# Altium PCB 2-quilter-output.PcbDoc (part 11 of 26)
Units mil, origin at the board's own origin, x right, y up, seen from the top; angles counter-clockwise.
Board outline 4130.55 x 4250 mil, 8 copper layers (L1, Ground L2, L3, Power L4, Ground L5, L6, Ground L7, L8), stack 62.985 mil thick; 591 components, 494 nets, 2245 pads, 1508 vias.
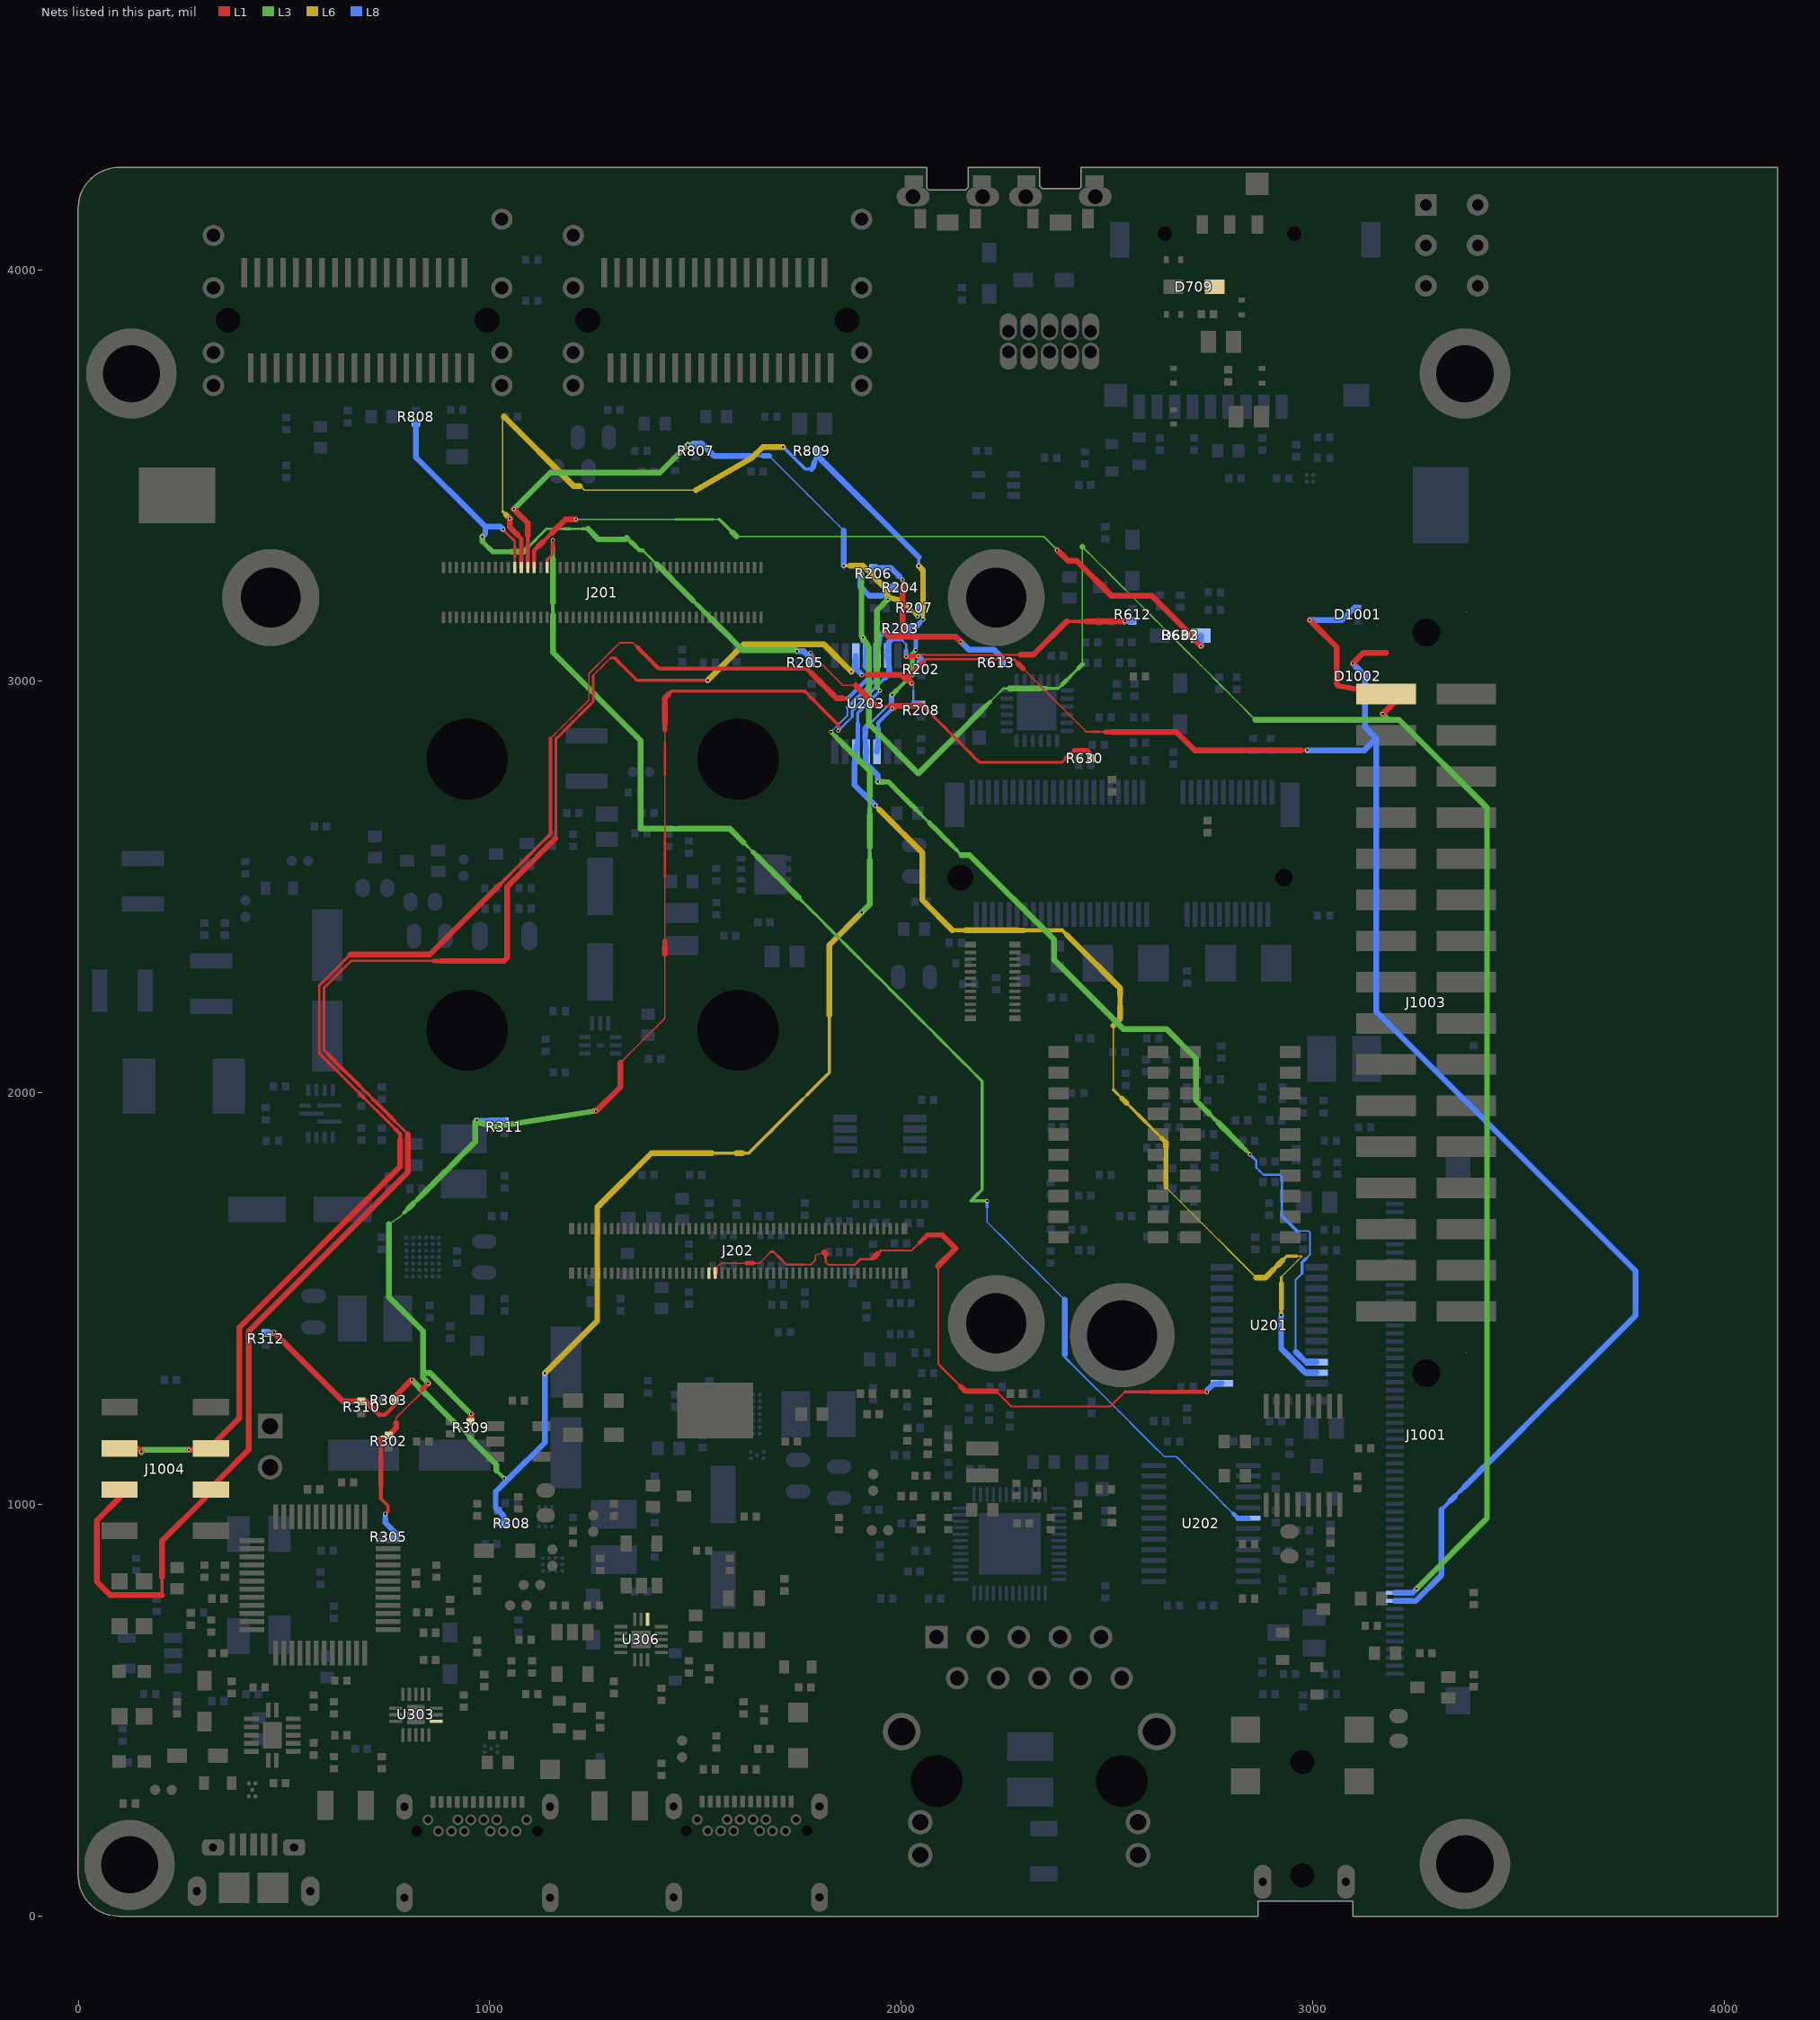
[diagram p17: the nets of this part, all layers, seen from the top]

## Via types
v1: diameter 9.85, hole 5.91, L1 to L8, tented both sides, 1508 vias

## Nets (pads, with @x,y where several pads share a name; then routed paths per layer and width w, separated by ;. In a path a pad name is that pad's centre, name@x,y a point inside that pad or via, vN(x,y) a via of type N, cw(c..) or ccw(c..) an arc to the next point about the centre after c; other vN are vias at no path point) (continued)
I2C2_SCL_3V3: R202.2 R302.1 R305.1 R309.1 R311.1 R612.1 U203.13 | length 4268.7
  L1 w3.83: 772.63,1197.84 772.63,1210.09 783.28,1220.73 793.92,1231.37 804.57,1242.02 815.21,1252.66 825.85,1263.31 836.5,1273.95 836.5,1279.88 ; 1317.38,2072.74 1328.22,2083.59 1339.07,2094.43 1349.91,2105.28 1360.76,2116.12 1371.6,2126.96 1382.45,2137.81 1393.29,2148.65 1404.14,2159.5 1414.98,2170.34 1425.83,2181.19 1425.83,2196.76 1425.83,2212.33 1425.83,2227.89 1425.83,2243.46 1425.83,2259.03 1425.83,2274.6 1425.83,2290.17 1425.83,2305.74 1425.83,2321.31 1425.83,2336.87 ; 1425.83,2368.01 1425.83,2383.58 1425.83,2399.15 1425.83,2414.72 1425.83,2430.28 1425.83,2445.85 1425.83,2461.42 1425.83,2476.99 1425.83,2492.56 1425.83,2508.13 1425.83,2523.7 ; 1425.83,2632.68 1425.83,2648.24 1425.83,2663.81 1425.83,2679.38 1425.83,2694.95 1425.83,2710.52 1425.83,2726.09 1425.83,2741.65 1425.83,2757.22 1425.83,2772.79 ; 1425.83,2850.63 1425.83,2866.2 1425.83,2881.77
  L1 w4.85: 1425.83,2523.7 1425.83,2539.26 1425.83,2554.83 1425.83,2570.4 1425.83,2585.97 1425.83,2601.54 1425.83,2617.11 1425.83,2632.68 ; 1425.83,2772.79 1425.83,2788.36 1425.83,2803.93 1425.83,2819.5 1425.83,2835.07 1425.83,2850.63 ; 2056.67,3064.4 2072.25,3064.4 2087.84,3064.4 2103.43,3064.4 2119.02,3064.4 2134.61,3064.4 2150.2,3064.4 2165.78,3064.4 2181.37,3064.4 2196.96,3064.4 2212.55,3064.4 2228.14,3064.4 2243.73,3064.4 2259.32,3064.4 2274.9,3064.4 2290.49,3064.4
  L1 w5.87: v1@2038.06,3060.03 2041.08,3064.4 2056.67,3064.4
  L1 w7.92: 735.51,1013.78 743.53,1005.76 751.54,997.75 752.98,996.31 752.98,983.16 v1(746.4,976.58) ; 1434.33,2968.11 1442.83,2976.61 1458.16,2976.61 1473.49,2976.61 1488.83,2976.61 1504.16,2976.61 1519.5,2976.61 1534.83,2976.61 1550.17,2976.61 1565.5,2976.61 1580.84,2976.61 1596.17,2976.61 1611.5,2976.61 1626.84,2976.61 1642.17,2976.61 1657.51,2976.61 1672.84,2976.61 1688.18,2976.61 1703.51,2976.61 1718.85,2976.61 1734.18,2976.61 1749.52,2976.61 1764.85,2976.61 1775.17,2966.29 1785.5,2955.96 1795.82,2945.64 1806.15,2935.31 1816.47,2924.99 1826.8,2914.66 1837.12,2904.34 1847.45,2894.01 v1(1847.45,2879.9) ; 2403.14,3145.86 2418.76,3145.86 2434.39,3145.86
  L1 w8.94: 735.51,1013.78 735.51,1028.42 735.51,1043.07 ; 735.51,1116.3 735.51,1130.94 735.51,1145.59 735.51,1160.23 ; 737.59,1162.31 R302.1@746,1164.83
  L1 w9.96: 2434.39,3145.86 2450.01,3145.86
  L1 w10.99: R302.1@746,1164.83 R302.1@754.41,1167.36 ; 1425.83,2881.77 1425.83,2897.34 ; 2024.86,3060.38 2037.51,3060.38 v1@2038.06,3060.03
  L1 w12.01: 836.5,1279.88 843.71,1287.09 v1(850.92,1294.3) ; v1@2038.06,3060.03 2040.51,3060.03 v1(2041.97,3061.49)
  L1 w13.03: 735.51,1043.07 735.51,1057.72 735.51,1072.36 735.51,1087.01 735.51,1101.65 735.51,1116.3 ; 1425.83,2352.44 1425.83,2368.01
  L1 w14.05: 735.51,1160.23 737.59,1162.31 ; R302.1@754.41,1167.36 772.63,1185.59 772.63,1197.84 ; R309.1@953.47,1200.56 954.87,1201.98 v1(954.87,1218.97) ; v1(1258.92,1955.57) 1317.38,2014.07 1317.38,2072.74 ; 1425.83,2336.87 1425.83,2352.44 ; 1425.83,2897.34 1425.83,2912.91 1425.83,2928.48 1425.83,2944.05 1425.83,2959.61 1434.33,2968.11 ; v1(2012.2,3060.38) 2024.86,3060.38 ; 2290.49,3064.4 2306.08,3064.4 2321.67,3064.4 2403.14,3145.86 ; 2450.01,3145.86 2465.64,3145.86 2481.26,3145.86 2496.89,3145.86 2512.51,3145.86 2528.14,3145.86 v1(2543.77,3145.86)
  L3 w3.5: 755.47,1680.83 764.36,1686.67 773.25,1692.52 782.14,1698.36 792.87,1709.09
  L3 w7.92: v1@1254.74,1955.57 v1(1258.92,1955.57)
  L3 w9.96: 792.87,1709.09 803.61,1719.83 ; 814.34,1730.56 825.07,1741.29
  L3 w13.03: 825.07,1741.29 835.81,1752.03
  L3 w14.05: 755.47,1680.82 755.47,1503.3 837.96,1420.8 837.96,1319.59 ; 803.61,1719.83 814.34,1730.56 ; 835.81,1752.03 846.54,1762.76 857.27,1773.49 868.01,1784.23 878.74,1794.96 889.47,1805.69 900.21,1816.43 910.94,1827.16 921.67,1837.89 932.4,1848.62 943.14,1859.36 953.87,1870.09 964.6,1880.82 964.6,1929.67 1012.84,1917.68 v1@1254.73,1955.56 ; v1(850.92,1294.3) 837.96,1307.26 837.96,1319.59 ; v1(954.87,1218.97) 854.26,1319.59 837.96,1319.59 ; 964.66,1929.67 v1(968.64,1933.65)
  L8 w3.83: 2003.53,3098.86 2012.2,3090.19
  L8 w4.85: 1857.77,2890.22 1865.62,2898.07 1873.47,2905.92 1881.31,2913.77 ; 1974.25,3098.86 1988.89,3098.86 2003.53,3098.86 ; 2012.2,3075.29 2012.2,3090.19
  L8 w5.87: v1(1847.45,2879.9) 1857.77,2890.22
  L8 w7.92: 1881.31,2913.77 1881.31,2928.57 1891.31,2938.57 1901.31,2948.57 1911.32,2958.57 1921.32,2968.57 1931.32,2978.57 1941.32,2988.57 1951.32,2998.57 1961.32,3008.57
  L8 w9.96: v1(2041.97,3061.49) 2048.31,3055.16
  L8 w10.99: v1(968.64,1933.65) 977.33,1933.65 986.03,1933.65 1000.3,1933.65 ; v1(2012.2,3060.38) 2012.2,3075.29
  L8 w12.01: 746.4,964.74 v1(746.4,976.58)
  L8 w14.05: 746.4,964.74 746.4,955.06 769.15,932.32 R305.1@769.17,920.18 ; 1000.3,1933.65 1014.57,1933.65 1033.8,1933.65 R311.1@1036.41,1931.03 ; 1961.32,3008.57 1971.32,3018.57 1971.32,3032.01 U203.13@1966.81,3062.02 1970.09,3094.69 1974.25,3098.86 ; R202.2@2048.32,3043.34 2048.31,3055.16 ; v1(2543.77,3145.86) 2544.54,3146.63 R612.1@2562.56,3146.63
I2C2_SDA: J201.24 R205.2 R630.2 R808.2 U203.3 | length 2460.6
  L1 w3.83: 1789.94,3059.07 1799.76,3049.25 1809.57,3039.44 1819.39,3029.62 1829.2,3019.81 1839.02,3009.99 1848.83,3000.18 1858.65,2990.36 1874.17,2990.36 1889.69,2990.36 ; 1952.21,2940.21 1964.58,2940.21
  L1 w4.85: J201.24@1061.04,3289.26 1061.04,3302.09 ; v1(1780.13,3068.88) 1789.94,3059.07 ; 1964.58,2940.21 1976.95,2940.21
  L1 w5.87: v1(1032.34,3369.31) 1038.97,3362.68 1045.61,3356.04 1053.33,3348.32 1061.04,3340.61 1061.04,3327.77 ; J201.24@1061.03,3276.42 J201.24@1061.04,3289.26 ; 2361.06,2803.28 2376.57,2803.28 2392.08,2803.28
  L1 w6.9: 1061.04,3302.09 1061.04,3314.93 1061.04,3327.77 ; 2064.1,2929.68 2074.64,2919.14 2085.17,2908.61 2095.7,2898.08 2106.23,2887.55 2116.77,2877.01 2127.3,2866.48 2137.83,2855.95 2148.36,2845.41 2158.9,2834.88 2169.43,2824.35 2179.96,2813.82 2190.49,2803.28 2206,2803.28 2221.51,2803.28 2237.01,2803.28 2252.52,2803.28 2268.03,2803.28 2283.53,2803.28 2299.04,2803.28 2314.54,2803.28 2330.05,2803.28 2345.56,2803.28 2361.06,2803.28 ; 2392.08,2803.28 2401.87,2813.08 ; 2411.67,2822.88 2421.47,2832.67
  L1 w7.92: 2053.57,2940.21 2064.1,2929.68
  L1 w9.96: 1939.84,2940.21 1952.21,2940.21
  L1 w10.99: 2421.47,2832.67 2436.37,2832.67 2451.27,2832.67 2461.2,2822.75 R630.2@2461.2,2812.75
  L1 w12.01: v1(1978.8,2933.74) 1982.86,2933.74 1989.33,2940.21
  L1 w13.03: 2401.87,2813.08 2411.67,2822.88
  L1 w14.05: 1889.69,2990.36 1939.84,2940.21 ; 1976.95,2940.21 1989.32,2940.21 ; 1989.33,2940.21 2008.94,2940.21 2053.57,2940.21
  L3 w4.85: 1138.12,3370.46 1152.51,3370.46 1166.9,3370.46 ; 1195.68,3370.46 1210.07,3370.46 1224.46,3370.46
  L3 w5.87: 1166.9,3370.46 1181.29,3370.46 ; 1372.76,3317.85 1383.77,3306.85 1394.77,3295.84
  L3 w6.9: 1091.49,3323.83 1100.82,3333.15 1110.15,3342.48 1119.47,3351.81 1128.8,3361.13 1138.12,3370.46 ; 1181.29,3370.46 1195.68,3370.46 ; 1224.46,3370.46 1238.85,3370.46 ; 1394.77,3295.84 1405.77,3284.84
  L3 w7.92: v1@1744.5,3075.75 v1(1747.24,3073.02)
  L3 w8.94: 1493.81,3196.8 1504.81,3185.8
  L3 w9.96: 1334,3348.33 1344.16,3338.17 ; 1354.32,3328.01 1364.48,3317.85 1372.76,3317.85
  L3 w10.99: 982.28,3339.78 990.7,3331.35 999.13,3322.92 ; 1504.81,3185.8 1515.82,3174.8 1526.82,3163.79
  L3 w12.01: 999.13,3322.92 1007.56,3314.5 1022.48,3314.5 1037.4,3314.5 1052.32,3314.5 ; 1344.16,3338.17 1354.32,3328.01 ; 1526.82,3163.79 1537.83,3152.79
  L3 w13.03: 1333.45,3348.33 1334,3348.33
  L3 w14.05: 982.28,3339.78 v1(982.28,3351.59) ; 1052.32,3314.5 1067.24,3314.5 1082.16,3314.5 1091.49,3323.83 ; 1238.85,3370.46 1264.38,3344.93 ; 1264.38,3344.92 1330.04,3344.92 1333.45,3348.33 ; 1405.77,3284.84 1416.78,3273.83 1427.78,3262.83 1438.79,3251.83 1449.79,3240.82 1460.8,3229.82 1471.8,3218.81 1482.8,3207.81 1493.81,3196.8 ; 1537.83,3152.79 1548.83,3141.78 1559.83,3130.78 1570.84,3119.77 1581.84,3108.77 1592.85,3097.77 1603.85,3086.76 1614.87,3075.75 v1@1744.5,3075.75
  L8 w5.87: 1773.06,3062.99 R205.2@1777.07,3054.07
  L8 w7.92: R205.2@1777.07,3054.07 R205.2@1781.07,3045.18
  L8 w8.94: v1(1780.13,3068.88) 1782.7,3066.31 1782.7,3057.53 ; 1944.2,2885.77 1944.2,2899.14 1951.89,2906.83 1959.58,2914.52 1967.26,2922.21 1973.03,2927.97 v1(1978.8,2933.74)
  L8 w13.03: 1025.82,3375.83 v1(1032.34,3369.31)
  L8 w14.05: R808.2@820.75,3628.07 820.75,3544.47 975.33,3389.88 989.39,3375.83 ; v1(982.28,3351.59) 989.39,3358.71 989.39,3375.83 ; 1025.82,3375.83 989.39,3375.83 ; v1(1747.24,3073.02) 1763.03,3073.02 1773.06,3062.99 ; R205.2@1781.07,3045.18 1782.7,3048.75 1782.7,3057.53 ; U203.3@1941.21,2829.02 1944.2,2859.02 1944.2,2872.39 1944.2,2885.77
I2C2_SDA_3V3: R206.2 R303.1 R308.1 R310.1 R312.1 R613.1 U203.12 | length 4160.8
  L1 w9.96: 731.67,1217.47 745.57,1217.47 749.04,1220.94 759.1,1231 769.15,1241.06 R303.1@769.17,1252.21 ; 2003.73,3232.73 v1(2003.73,3247.02)
  L1 w10.99: 718.51,1230.63 728.39,1220.76 731.67,1217.47
  L1 w12.01: 698.77,1250.37 708.64,1240.5 ; v1@809.75,1302.04 v1(810.72,1302.04)
  L1 w13.03: v1(1957.5,3120.63) 1963.43,3114.71
  L1 w14.05: v1(475.46,1417.92) 488.67,1404.71 643,1250.38 R310.1@688.05,1250.37 ; R310.1@688.05,1250.37 698.07,1250.37 698.77,1250.37 ; 708.64,1240.5 718.51,1230.63 ; R303.1@769.17,1252.21 769.15,1261.44 v1@809.75,1302.04 ; 1963.43,3114.71 1969.36,3108.78 1994.06,3108.78 ; 2003.73,3232.73 2003.73,3218.44 2003.73,3204.16 2003.73,3189.87 2003.73,3175.59 2003.73,3161.3 2003.73,3147.01 2003.73,3132.73 2003.73,3118.44 1994.06,3108.78 ; v1(2145.27,3096.15) 2132.65,3108.78 1994.06,3108.78
  L3 w4.85: 929.61,1183.15 940.42,1172.34 951.22,1161.53
  L3 w7.92: 918.8,1193.96 929.61,1183.15 ; 1016.07,1082.28 1025.71,1072.64 ; 1923.5,2689.86 1923.5,2705.38
  L3 w8.94: 1025.71,1072.64 v1(1035.34,1063) ; 1923.5,2581.27 1923.5,2596.79
  L3 w9.96: v1(1829.57,2876.88) 1840,2866.44 ; 1923.5,2565.76 1923.5,2581.27
  L3 w10.99: 1923.5,2705.38 1923.5,2720.89
  L3 w12.01: 1840,2866.44 1850.44,2856 ; 1923.5,2674.35 1923.5,2689.86
  L3 w14.05: v1(810.72,1302.04) 821.53,1291.23 832.34,1280.42 843.14,1269.61 853.95,1258.8 864.76,1248 875.57,1237.19 886.38,1226.38 897.18,1215.57 907.99,1204.76 918.8,1193.96 ; 951.22,1161.53 962.03,1150.72 972.84,1139.92 983.65,1129.11 994.46,1118.3 1005.26,1107.49 1016.07,1096.68 1016.07,1082.28 ; 1850.44,2856 1860.88,2845.56 1871.31,2835.13 1881.75,2824.69 1892.19,2814.25 1902.63,2803.81 1913.06,2793.38 1923.5,2782.94 1923.5,2767.43 1923.5,2751.91 1923.5,2736.4 1923.5,2720.89 ; v1(1904.55,2438.22) 1923.5,2457.17 1923.5,2472.68 1923.5,2488.2 1923.5,2503.71 1923.5,2519.22 1923.5,2534.73 1923.5,2550.25 1923.5,2565.76 ; 1923.5,2596.79 1923.5,2612.3 1923.5,2627.81 1923.5,2643.32 1923.5,2658.84 1923.5,2674.35
  L6 w4.85: 1760.19,1983.79 1771.08,1994.68
  L6 w7.92: 1540.75,1853.11 1555.54,1853.11 1570.34,1853.11 1585.13,1853.11 1599.93,1853.11 ; 1614.72,1853.11 1629.52,1853.11 1640.41,1864 1651.3,1874.89 1662.19,1885.78 1673.08,1896.67 1683.97,1907.56 1694.86,1918.45 1705.75,1929.34 1716.64,1940.23 1727.53,1951.12 1738.42,1962.01 1749.31,1972.9 1760.19,1983.79 ; 1771.08,1994.68 1781.97,2005.57 1792.86,2016.46 1803.75,2027.35 1814.64,2038.24 1825.53,2049.13 1825.53,2064.63 1825.53,2080.14 1825.53,2095.64 1825.53,2111.14 1825.53,2126.65 1825.53,2142.15 1825.53,2157.66 1825.53,2173.16 1825.53,2188.66
  L6 w14.05: v1(1134.07,1318.6) 1261.5,1446.03 1261.51,1721.82 1392.8,1853.11 1407.59,1853.11 1422.39,1853.11 1437.18,1853.11 1451.98,1853.11 1466.77,1853.11 1481.57,1853.11 1496.36,1853.11 1511.16,1853.11 1525.95,1853.11 1540.75,1853.11 ; 1599.93,1853.11 1614.72,1853.11 ; 1825.53,2188.66 1825.53,2204.17 1825.53,2219.67 1825.53,2235.18 1825.53,2250.68 1825.53,2266.18 1825.53,2281.69 1825.53,2297.19 1825.53,2312.7 1825.53,2328.2 1825.53,2343.7 1825.53,2359.21 v1@1904.55,2438.22
  L8 w3.5: 1836.54,2883.85 1843.52,2890.83
  L8 w3.83: v1(1829.57,2876.88) 1836.54,2883.85 ; 1843.52,2890.83 1852.23,2899.54
  L8 w4.85: 1852.23,2899.54 1860.94,2908.25 1869.65,2916.96 1869.65,2926.63 1869.65,2936.29
  L8 w7.92: v1(1035.34,1063) v1@1036.63,1061.72
  L8 w8.94: 1869.65,2936.29 1879.87,2946.52 1890.09,2956.74 1900.31,2966.96 1910.54,2977.18 1920.76,2987.4 1930.98,2997.62 1941.2,3007.85 1941.2,3021.39 ; 1996.54,3254.2 v1(2003.73,3247.02)
  L8 w10.99: v1@1036.63,1061.72 1045.77,1061.72
  L8 w12.01: v1@1957.5,3119.78 v1(1957.5,3120.63)
  L8 w13.03: 1014.6,1030.48 1024.99,1040.87
  L8 w14.05: R312.1@455.82,1416.38 473.94,1416.4 v1(475.46,1417.92) ; 1014.6,1030.48 1014.6,991.65 1033.1,973.15 R308.1@1038.24,953.38 ; 1024.99,1040.87 1035.38,1051.26 1045.77,1061.65 1045.77,1061.72 1134.07,1150.02 v1(1134.07,1318.6) ; R206.2@1932.2,3275.76 1974.97,3275.77 1989.35,3261.39 1996.54,3254.2 ; 1941.2,3021.39 1941.2,3034.93 1941.2,3048.47 U203.12@1941.21,3062.02 1948.51,3110.78 v1@1957.5,3119.78 ; v1(2145.27,3096.15) 2154.4,3087.02 2164.28,3077.15 2225.7,3077.15 2245.55,3057.3 R613.1@2245.55,3045.18
I2C3_SCL: J201.26 R203.2 R809.2 U201.22 U203.4 | length 4341.4
  L1 w9.96: 1067.42,3355.79 1076.79,3346.42 1076.79,3332.42 1076.79,3318.42 1076.79,3304.42 1076.79,3290.42 J201.26@1076.78,3276.42
  L1 w14.05: v1(1048.69,3395.66) 1048.69,3374.52 1058.06,3365.15 1067.42,3355.79
  L3 w6.9: 2046.72,2677.91 2057.86,2666.77 2069,2655.63 ; 2135.84,2588.79 2146.98,2577.65
  L3 w7.92: 2837.5,1860.8 v1(2848.58,1849.73)
  L3 w8.94: 1987.84,2976.66 1997.79,2986.61 2007.74,2996.57 2017.69,3006.52 2027.64,3016.47 ; 2035.58,2689.05 2046.72,2677.91 ; 2124.7,2599.93 2135.84,2588.79 ; 2748.88,1949.42 2759.96,1938.34
  L3 w9.96: 2027.64,3054.75 2027.64,3067.51 v1(2035.75,3075.61) ; 2759.96,1938.34 2771.04,1927.27
  L3 w10.99: 2113.56,2611.07 2124.7,2599.93 ; 2826.42,1871.88 2837.5,1860.8
  L3 w12.01: 1956.25,2755.89 1968.75,2755.89 1979.89,2744.75 1991.02,2733.61 2002.16,2722.47 2013.3,2711.33 2024.44,2700.19 2035.58,2689.05 ; 2027.64,3041.99 2027.64,3054.75 ; 2069,2655.63 2080.14,2644.49 2091.28,2633.35 2102.42,2622.21 2113.56,2611.07
  L3 w13.03: v1(1977.89,2966.71) 1987.84,2976.66
  L3 w14.05: v1(1943.74,2755.89) 1956.25,2755.89 ; 2027.64,3016.47 2027.64,3029.23 2027.64,3041.99 ; 2146.98,2577.65 2166.61,2577.65 2372.21,2372.06 2372.21,2323.03 2540.06,2155.18 2644.58,2155.18 2717.12,2082.64 2717.12,1981.18 2737.81,1960.5 2748.88,1949.42 ; 2771.04,1927.27 2782.11,1916.19 2793.19,1905.11 2804.27,1894.04 2815.35,1882.96 2826.42,1871.88
  L6 w3.5: 1219.8,3474.72 1230.22,3464.3 1245.29,3464.3 1260.36,3464.3 1275.43,3464.3 1290.5,3464.3 1305.57,3464.3 1320.64,3464.3 1335.71,3464.3 1350.78,3464.3 1365.84,3464.3 1380.91,3464.3 1395.98,3464.3 1411.05,3464.3 1426.12,3464.3 1441.19,3464.3 1456.26,3464.3 1471.33,3464.3 1486.4,3464.3 1501.46,3464.3
  L6 w3.83: 1031.56,3412.79 1031.56,3427.96 1031.56,3443.12 1031.56,3458.29 1031.56,3473.45 1031.56,3488.61 1031.56,3503.78 1031.56,3518.94 1031.56,3534.11 1031.56,3549.27 1031.56,3564.44 1031.56,3579.6 1031.56,3594.76 1031.56,3609.93 1031.56,3625.09 1031.56,3640.26
  L6 w6.9: 1031.56,3412.79 1040.12,3404.23 ; 1031.56,3640.26 1034.88,3643.58
  L6 w7.92: v1(2053.46,3149.75) 2053.46,3164.73
  L6 w10.99: 2053.46,3164.73 2053.46,3179.71
  L6 w14.05: 1034.89,3643.58 1203.75,3474.72 1219.8,3474.72 ; 1040.12,3404.23 v1(1048.69,3395.66) ; 1501.46,3464.3 1501.5,3464.34 1501.58,3464.34 1637.85,3543.53 1663.85,3569.53 v1(1713.43,3569.53) ; v1(2042.72,3280.34) 2053.46,3269.61 2053.46,3254.62 2053.46,3239.64 2053.46,3224.66 2053.46,3209.68 2053.46,3194.69 2053.46,3179.71
  L8 w3.5: 2959.01,1370.94 2959.01,1372.26 2959.01,1388 2959.01,1403.74 2959.01,1419.48 2959.01,1435.22 2959.01,1450.96 2959.01,1466.7 2959.01,1482.44 2959.01,1498.18 2959.01,1513.92 2959.01,1529.66 2959.01,1545.4
  L8 w3.83: 2962.08,1664.37 2975.88,1664.37 2989.68,1664.37 2993.62,1660.42 2993.62,1646.9 2993.62,1633.38 2993.62,1619.85 2993.62,1606.33
  L8 w4.85: 2863.23,1835.07 2863.23,1826.82 2863.23,1818.56 2872.1,1809.69 2880.97,1800.82 ; 2920.43,1800.82 2925.6,1795.66 2925.6,1782.11 2925.6,1768.57 2925.6,1755.02 2925.6,1741.48 2925.6,1727.93 2925.6,1714.39 2925.6,1700.84 ; 2959.01,1545.4 2966.97,1553.36 2974.93,1561.32 ; 2984.27,1596.98 2993.62,1606.33
  L8 w5.87: 1923.41,2896.3 1934.21,2907.1 1945.01,2917.9 1955.81,2928.7 1966.6,2939.49 1977.4,2950.29 ; 2855.9,1842.4 2863.23,1835.07 ; 2880.97,1800.82 2894.12,1800.82 2907.28,1800.82 2920.43,1800.82
  L8 w7.92: v1(1713.43,3569.53) 1720.36,3562.59 1727.3,3555.66 1737.29,3545.67 1747.28,3535.68 1757.26,3525.69 1767.25,3515.71 1781.94,3515.7 ; v1(2042.72,3280.34) 2042.72,3291.11 2042.72,3301.87 ; v1(2848.58,1849.73) 2855.9,1842.4 ; 2925.6,1700.84 2934.72,1691.73 2943.84,1682.61 2952.96,1673.49 2962.08,1664.37 ; 2974.93,1561.32 2974.93,1574.48 2974.93,1587.63 2984.27,1596.98
  L8 w8.94: 1793.6,3546.31 R809.2@1797.66,3559.83
  L8 w9.96: 1789.54,3532.79 1793.6,3546.31 ; v1(2035.75,3075.61) 2035.75,3084.15 ; 2045.18,3141.47 v1(2053.46,3149.75)
  L8 w10.99: 2035.75,3084.15 2035.75,3092.69 2035.75,3105.75
  L8 w12.01: v1@1977.4,2966.22 v1(1977.89,2966.71)
  L8 w13.03: 1912.61,2872.26 1912.61,2859.02 U203.4@1914.11,2844.02 ; 1977.4,2950.29 1977.4,2958.26 v1@1977.4,2966.22 ; 2038.54,3134.83 2045.18,3141.47
  L8 w14.05: 1781.94,3515.7 1785.48,3519.25 1789.54,3532.79 ; R809.2@1797.66,3559.83 1803.18,3541.42 2042.72,3301.87 ; 1912.61,2872.26 1912.61,2885.5 1923.41,2896.3 ; U203.4@1914.11,2844.02 U203.4@1915.61,2829.02 1912.92,2802.11 1943.74,2771.28 v1(1943.74,2755.89) ; 2035.75,3105.75 R203.2@2013.31,3128.18 2025.28,3134.83 2038.54,3134.83 ; 2959.01,1370.94 2984.69,1345.26 U201.22@3010.29,1345.26